# KiCad board Console.kicad_pcb (continued)
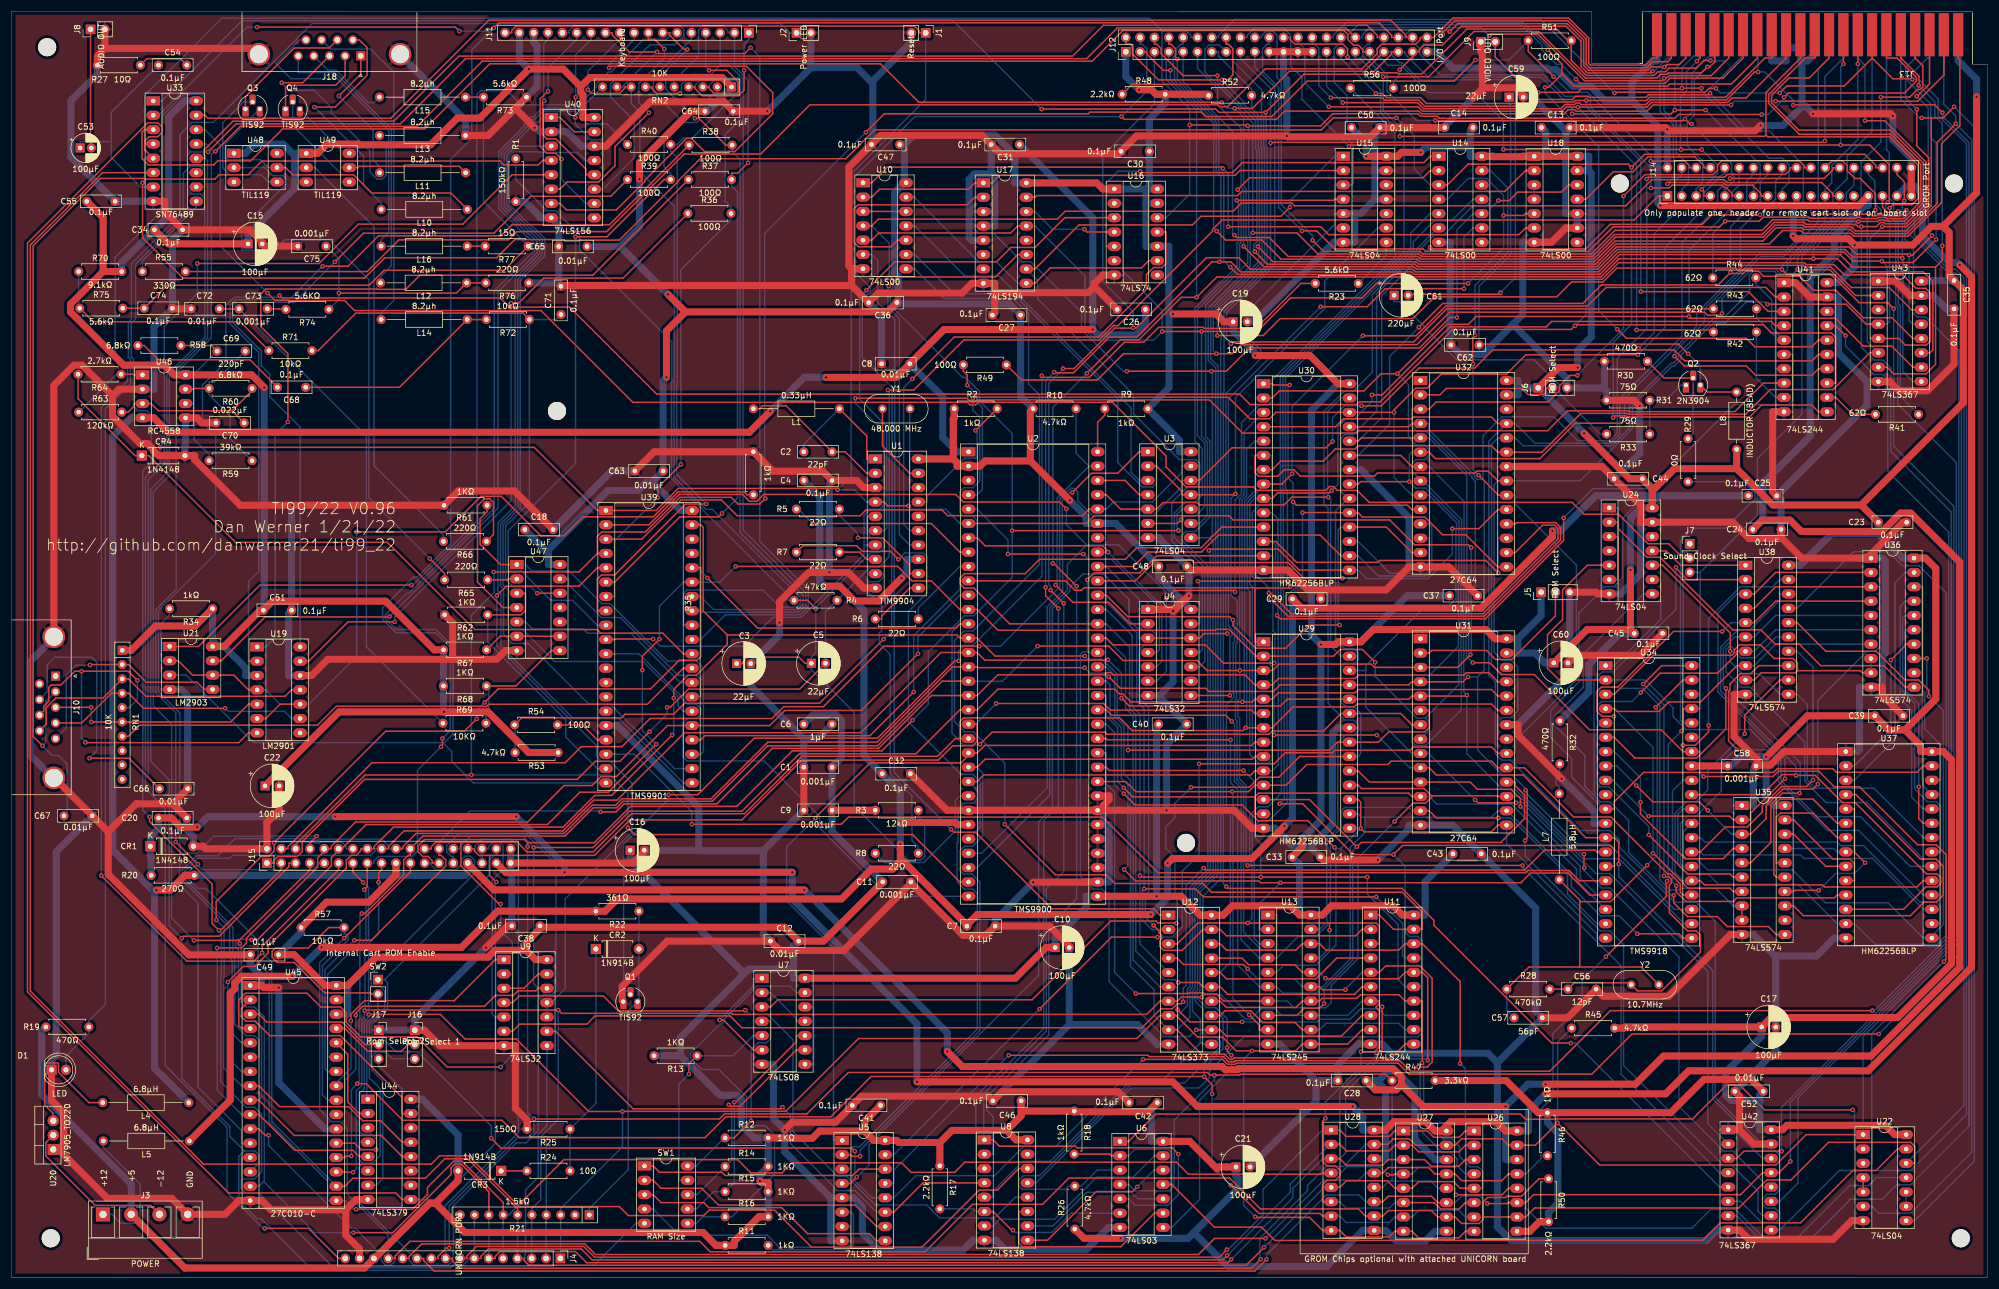
[diagram p0: board, top side]
## Footprints (pads in the part's own frame, mm; a bottom-side part is the same pattern mirrored in y, then rotated)
44 Pin Card Edge
  rect 1.78x7.62 smd far side: 1(14.87,-10.94) 3(17.41,-10.94) 5(19.95,-10.94) 7(22.49,-10.94) 9(25.03,-10.94) 11(27.57,-10.94) 13(30.11,-10.94) 15(32.65,-10.94) 17(35.19,-10.94) 19(37.73,-10.94) 21(40.27,-10.94) 23(42.81,-10.94) 25(45.35,-10.94) 27(47.89,-10.94) 29(50.43,-10.94) 31(52.97,-10.94) 33(55.51,-10.94) 35(58.05,-10.94) 37(60.59,-10.94) 39(63.13,-10.94) 41(65.67,-10.94) 43(68.21,-10.94)
  rect 1.78x7.62 smd: 2(14.87,-10.94) 4(17.41,-10.94) 6(19.95,-10.94) 8(22.49,-10.94) 10(25.03,-10.94) 12(27.57,-10.94) 14(30.11,-10.94) 16(32.65,-10.94) 18(35.19,-10.94) 20(37.73,-10.94) 22(40.27,-10.94) 24(42.81,-10.94) 26(45.35,-10.94) 28(47.89,-10.94) 30(50.43,-10.94) 32(52.97,-10.94) 34(55.51,-10.94) 36(58.05,-10.94) 38(60.59,-10.94) 40(63.13,-10.94) 42(65.67,-10.94) 44(68.21,-10.94)
C_Rect_L7.0mm_W2.0mm_P5.00mm
  round 1.6 hole 0.8: 1(0,0) 2(5,0)
CardEdge_34Pin_2.54mm_Vertical
  rect 1.7x1.7 hole 1: 1(0,-5.08)
  oval 1.7x1.7 hole 1: 2(5,-5.08) 3(0,-7.62) 4(5,-7.62) 5(0,-10.16) 6(5,-10.16) 7(0,-12.7) 8(5,-12.7) 9(0,-15.24) 10(5,-15.24) 11(0,-17.78) 12(5,-17.78) 13(0,-20.32) 14(5,-20.32) 15(0,-22.86) 16(5,-22.86) 17(0,-25.4) 18(5,-25.4) 19(0,-27.94) 20(5,-27.94) 21(0,-30.48) 22(5,-30.48) 23(0,-33.02) 24(5,-33.02) 25(0,-35.56) 26(5,-35.56) 27(0,-38.1) 28(5,-38.1) 29(0,-40.64) 30(5,-40.64) 31(0,-43.18) 32(5,-43.18) 33(0,-45.72) 34(5,-45.72) 35(0,-48.26) 36(5,-48.26)
CP_Radial_D5.0mm_P2.00mm
  rect 1.6x1.6 hole 0.8: 1(0,0)
  round 1.6 hole 0.8: 2(2,0)
CP_Radial_D7.5mm_P2.50mm
  rect 1.6x1.6 hole 0.8: 1(0,0)
  round 1.6 hole 0.8: 2(2.5,0)
Crystal_HC49-U_Vertical
  round 1.5 hole 0.8: 1(0,0) 2(4.88,0)
D_A-405_P7.62mm_Horizontal
  rect 1.8x1.8 hole 0.9: 1(0,0)
  oval 1.8x1.8 hole 0.9: 2(7.62,0)
DIP-6_W7.62mm_Socket_LongPads
  rect 2.4x1.6 hole 0.8: 1(0,0)
  oval 2.4x1.6 hole 0.8: 2(0,-2.54) 3(0,-5.08) 4(7.62,-5.08) 5(7.62,-2.54) 6(7.62,0)
DIP-8_W7.62mm_Socket_LongPads
  rect 2.4x1.6 hole 0.8: 1(0,0)
  oval 2.4x1.6 hole 0.8: 2(0,-2.54) 3(0,-5.08) 4(0,-7.62) 5(7.62,-7.62) 6(7.62,-5.08) 7(7.62,-2.54) 8(7.62,0)
DIP-10_W7.62mm_Socket_LongPads
  rect 2.4x1.6 hole 0.8: 1(0,0)
  oval 2.4x1.6 hole 0.8: 2(0,-2.54) 3(0,-5.08) 4(0,-7.62) 5(0,-10.16) 6(7.62,-10.16) 7(7.62,-7.62) 8(7.62,-5.08) 9(7.62,-2.54) 10(7.62,0)
DIP-14_W7.62mm_Socket_LongPads
  rect 2.4x1.6 hole 0.8: 1(0,0)
  oval 2.4x1.6 hole 0.8: 2(0,-2.54) 3(0,-5.08) 4(0,-7.62) 5(0,-10.16) 6(0,-12.7) 7(0,-15.24) 8(7.62,-15.24) 9(7.62,-12.7) 10(7.62,-10.16) 11(7.62,-7.62) 12(7.62,-5.08) 13(7.62,-2.54) 14(7.62,0)
DIP-16_W7.62mm_Socket_LongPads
  rect 2.4x1.6 hole 0.8: 1(0,0)
  oval 2.4x1.6 hole 0.8: 2(0,-2.54) 3(0,-5.08) 4(0,-7.62) 5(0,-10.16) 6(0,-12.7) 7(0,-15.24) 8(0,-17.78) 9(7.62,-17.78) 10(7.62,-15.24) 11(7.62,-12.7) 12(7.62,-10.16) 13(7.62,-7.62) 14(7.62,-5.08) 15(7.62,-2.54) 16(7.62,0)
DIP-20_W7.62mm_Socket_LongPads
  rect 2.4x1.6 hole 0.8: 1(0,0)
  oval 2.4x1.6 hole 0.8: 2(0,-2.54) 3(0,-5.08) 4(0,-7.62) 5(0,-10.16) 6(0,-12.7) 7(0,-15.24) 8(0,-17.78) 9(0,-20.32) 10(0,-22.86) 11(7.62,-22.86) 12(7.62,-20.32) 13(7.62,-17.78) 14(7.62,-15.24) 15(7.62,-12.7) 16(7.62,-10.16) 17(7.62,-7.62) 18(7.62,-5.08) 19(7.62,-2.54) 20(7.62,0)
DIP-28_W15.24mm_Socket_LongPads
  rect 2.4x1.6 hole 0.8: 1(0,0)
  oval 2.4x1.6 hole 0.8: 2(0,-2.54) 3(0,-5.08) 4(0,-7.62) 5(0,-10.16) 6(0,-12.7) 7(0,-15.24) 8(0,-17.78) 9(0,-20.32) 10(0,-22.86) 11(0,-25.4) 12(0,-27.94) 13(0,-30.48) 14(0,-33.02) 15(15.24,-33.02) 16(15.24,-30.48) 17(15.24,-27.94) 18(15.24,-25.4) 19(15.24,-22.86) 20(15.24,-20.32) 21(15.24,-17.78) 22(15.24,-15.24) 23(15.24,-12.7) 24(15.24,-10.16) 25(15.24,-7.62) 26(15.24,-5.08) 27(15.24,-2.54) 28(15.24,0)
DIP-32_W15.24mm_Socket_LongPads
  rect 2.4x1.6 hole 0.8: 1(0,0)
  oval 2.4x1.6 hole 0.8: 2(0,-2.54) 3(0,-5.08) 4(0,-7.62) 5(0,-10.16) 6(0,-12.7) 7(0,-15.24) 8(0,-17.78) 9(0,-20.32) 10(0,-22.86) 11(0,-25.4) 12(0,-27.94) 13(0,-30.48) 14(0,-33.02) 15(0,-35.56) 16(0,-38.1) 17(15.24,-38.1) 18(15.24,-35.56) 19(15.24,-33.02) 20(15.24,-30.48) 21(15.24,-27.94) 22(15.24,-25.4) 23(15.24,-22.86) 24(15.24,-20.32) 25(15.24,-17.78) 26(15.24,-15.24) 27(15.24,-12.7) 28(15.24,-10.16) 29(15.24,-7.62) 30(15.24,-5.08) 31(15.24,-2.54) 32(15.24,0)
DIP-40_W15.24mm_Socket_LongPads
  rect 2.4x1.6 hole 0.8: 1(0,0)
  oval 2.4x1.6 hole 0.8: 2(0,-2.54) 3(0,-5.08) 4(0,-7.62) 5(0,-10.16) 6(0,-12.7) 7(0,-15.24) 8(0,-17.78) 9(0,-20.32) 10(0,-22.86) 11(0,-25.4) 12(0,-27.94) 13(0,-30.48) 14(0,-33.02) 15(0,-35.56) 16(0,-38.1) 17(0,-40.64) 18(0,-43.18) 19(0,-45.72) 20(0,-48.26) 21(15.24,-48.26) 22(15.24,-45.72) 23(15.24,-43.18) 24(15.24,-40.64) 25(15.24,-38.1) 26(15.24,-35.56) 27(15.24,-33.02) 28(15.24,-30.48) 29(15.24,-27.94) 30(15.24,-25.4) 31(15.24,-22.86) 32(15.24,-20.32) 33(15.24,-17.78) 34(15.24,-15.24) 35(15.24,-12.7) 36(15.24,-10.16) 37(15.24,-7.62) 38(15.24,-5.08) 39(15.24,-2.54) 40(15.24,0)
DIP-64_W22.86mm_Socket_LongPads
  rect 2.4x1.6 hole 0.8: 1(0,0)
  oval 2.4x1.6 hole 0.8: 2(0,-2.54) 3(0,-5.08) 4(0,-7.62) 5(0,-10.16) 6(0,-12.7) 7(0,-15.24) 8(0,-17.78) 9(0,-20.32) 10(0,-22.86) 11(0,-25.4) 12(0,-27.94) 13(0,-30.48) 14(0,-33.02) 15(0,-35.56) 16(0,-38.1) 17(0,-40.64) 18(0,-43.18) 19(0,-45.72) 20(0,-48.26) 21(0,-50.8) 22(0,-53.34) 23(0,-55.88) 24(0,-58.42) 25(0,-60.96) 26(0,-63.5) 27(0,-66.04) 28(0,-68.58) 29(0,-71.12) 30(0,-73.66) 31(0,-76.2) 32(0,-78.74) 33(22.86,-78.74) 34(22.86,-76.2) 35(22.86,-73.66) 36(22.86,-71.12) 37(22.86,-68.58) 38(22.86,-66.04) 39(22.86,-63.5) 40(22.86,-60.96) 41(22.86,-58.42) 42(22.86,-55.88) 43(22.86,-53.34) 44(22.86,-50.8) 45(22.86,-48.26) 46(22.86,-45.72) 47(22.86,-43.18) 48(22.86,-40.64) 49(22.86,-38.1) 50(22.86,-35.56) 51(22.86,-33.02) 52(22.86,-30.48) 53(22.86,-27.94) 54(22.86,-25.4) 55(22.86,-22.86) 56(22.86,-20.32) 57(22.86,-17.78) 58(22.86,-15.24) 59(22.86,-12.7) 60(22.86,-10.16) 61(22.86,-7.62) 62(22.86,-5.08) 63(22.86,-2.54) 64(22.86,0)
DSUB-9_Male_Horizontal_P2.77x2.84mm_EdgePinOffset4.94mm_Housed_MountingHolesOffset7.48mm
  round 4 hole 3.2: 0(-6.96,-0.3) 0(18.04,-0.3)
  rect 1.6x1.6 hole 1: 1(0,0)
  round 1.6 hole 1: 2(2.77,0) 3(5.54,0) 4(8.31,0) 5(11.08,0) 6(1.385,-2.84) 7(4.155,-2.84) 8(6.925,-2.84) 9(9.695,-2.84)
LED_D5.0mm
  rect 1.8x1.8 hole 0.9: 1(0,0)
  round 1.8 hole 0.9: 2(2.54,0)
MountingHole_3.2mm_M3
  round 3.2 hole 3.2 unplated: (0,0)
PinHeader_1x02_P2.54mm_Vertical
  rect 1.7x1.7 hole 1: 1(0,0)
  oval 1.7x1.7 hole 1: 2(0,-2.54)
PinHeader_1x03_P2.54mm_Vertical
  rect 1.7x1.7 hole 1: 1(0,0)
  oval 1.7x1.7 hole 1: 2(0,-2.54) 3(0,-5.08)
PinHeader_1x16_P2.54mm_Vertical
  rect 1.7x1.7 hole 1: 1(0,0)
  oval 1.7x1.7 hole 1: 2(0,-2.54) 3(0,-5.08) 4(0,-7.62) 5(0,-10.16) 6(0,-12.7) 7(0,-15.24) 8(0,-17.78) 9(0,-20.32) 10(0,-22.86) 11(0,-25.4) 12(0,-27.94) 13(0,-30.48) 14(0,-33.02) 15(0,-35.56) 16(0,-38.1)
PinHeader_1x18_P2.54mm_Vertical
  rect 1.7x1.7 hole 1: 1(0,0)
  oval 1.7x1.7 hole 1: 2(0,-2.54) 3(0,-5.08) 4(0,-7.62) 5(0,-10.16) 6(0,-12.7) 7(0,-15.24) 8(0,-17.78) 9(0,-20.32) 10(0,-22.86) 11(0,-25.4) 12(0,-27.94) 13(0,-30.48) 14(0,-33.02) 15(0,-35.56) 16(0,-38.1) 17(0,-40.64) 18(0,-43.18)
PinHeader_2x18_P2.54mm_Vertical
  rect 1.7x1.7 hole 1: 1(0,0)
  oval 1.7x1.7 hole 1: 2(2.54,0) 3(0,-2.54) 4(2.54,-2.54) 5(0,-5.08) 6(2.54,-5.08) 7(0,-7.62) 8(2.54,-7.62) 9(0,-10.16) 10(2.54,-10.16) 11(0,-12.7) 12(2.54,-12.7) 13(0,-15.24) 14(2.54,-15.24) 15(0,-17.78) 16(2.54,-17.78) 17(0,-20.32) 18(2.54,-20.32) 19(0,-22.86) 20(2.54,-22.86) 21(0,-25.4) 22(2.54,-25.4) 23(0,-27.94) 24(2.54,-27.94) 25(0,-30.48) 26(2.54,-30.48) 27(0,-33.02) 28(2.54,-33.02) 29(0,-35.56) 30(2.54,-35.56) 31(0,-38.1) 32(2.54,-38.1) 33(0,-40.64) 34(2.54,-40.64) 35(0,-43.18) 36(2.54,-43.18)
PinHeader_2x22_P2.54mm_Vertical
  rect 1.7x1.7 hole 1: 1(0,0)
  oval 1.7x1.7 hole 1: 2(2.54,0) 3(0,-2.54) 4(2.54,-2.54) 5(0,-5.08) 6(2.54,-5.08) 7(0,-7.62) 8(2.54,-7.62) 9(0,-10.16) 10(2.54,-10.16) 11(0,-12.7) 12(2.54,-12.7) 13(0,-15.24) 14(2.54,-15.24) 15(0,-17.78) 16(2.54,-17.78) 17(0,-20.32) 18(2.54,-20.32) 19(0,-22.86) 20(2.54,-22.86) 21(0,-25.4) 22(2.54,-25.4) 23(0,-27.94) 24(2.54,-27.94) 25(0,-30.48) 26(2.54,-30.48) 27(0,-33.02) 28(2.54,-33.02) 29(0,-35.56) 30(2.54,-35.56) 31(0,-38.1) 32(2.54,-38.1) 33(0,-40.64) 34(2.54,-40.64) 35(0,-43.18) 36(2.54,-43.18) 37(0,-45.72) 38(2.54,-45.72) 39(0,-48.26) 40(2.54,-48.26) 41(0,-50.8) 42(2.54,-50.8) 43(0,-53.34) 44(2.54,-53.34)
PinSocket_1x03_P2.54mm_Vertical
  rect 1.7x1.7 hole 1: 1(0,0)
  oval 1.7x1.7 hole 1: 2(0,-2.54) 3(0,-5.08)
R_Array_SIP10
  rect 1.6x1.6 hole 0.8: 1(0,0)
  oval 1.6x1.6 hole 0.8: 2(2.54,0) 3(5.08,0) 4(7.62,0) 5(10.16,0) 6(12.7,0) 7(15.24,0) 8(17.78,0) 9(20.32,0) 10(22.86,0)
R_Axial_DIN0207_L6.3mm_D2.5mm_P7.62mm_Horizontal
  round 1.6 hole 0.8: 1(0,0)
  oval 1.6x1.6 hole 0.8: 2(7.62,0)
R_Axial_DIN0207_L6.3mm_D2.5mm_P10.16mm_Horizontal
  round 1.6 hole 0.8: 1(0,0)
  oval 1.6x1.6 hole 0.8: 2(10.16,0)
R_Axial_DIN0207_L6.3mm_D2.5mm_P15.24mm_Horizontal
  round 1.6 hole 0.8: 1(0,0)
  oval 1.6x1.6 hole 0.8: 2(15.24,0)
TerminalBlock_RND_205-00278_1x04_P5.00mm_Vertical
  rect 2.5x2.5 hole 1.3: 1(0,0)
  round 2.5 hole 1.3: 2(5,0) 3(10,0) 4(15,0)
TO-92_HandSolder
  rect 1.1x1.8 hole 0.75: 1(0,0)
  rrect 1.1x1.8 hole 0.75: 2(1.27,1.27) 3(2.54,0)
TO-92L_HandSolder
  rect 1.1x1.8 hole 0.75: 1(0,0)
  rrect 1.1x1.8 hole 0.75: 2(1.27,1.27) 3(2.54,0)
TO-220-3_Vertical
  rect 1.905x2 hole 1.1: 1(0,0)
  oval 1.905x2 hole 1.1: 2(2.54,0) 3(5.08,0)

## Nets
+5V: C1.1 C6.1 C9.1 C10.1 C11.1 C12.2 C13.1 C14.1 C15.1 C16.1 C17.1 C18.1 C19.1 C21.1 C22.1 C23.1 C27.1 C30.1 C33.1 C34.1 C35.1 C36.1 C37.1 C38.1 C39.1 C40.1 C41.1 C42.1 C43.1 C44.1 C45.1 C46.1 C47.1 C48.1 C49.1 C50.1 C51.1 C52.1 C55.2 C58.1 C60.1 C63.1 C64.2 C65.1 CR3.2 J3.2 J4.14 J5.1 J6.1 J11.17 J12.1 J13.1 J14.19 J15.19 L8.1 R2.2 R3.1 R9.1 R10.1 R11.2 R12.2 R13.2 R14.2 R15.2 R16.2 R17.1 R18.1 R19.1 R26.1 R32.1 R34.1 R45.2 R46.2 R47.2 R48.2 R50.2 R52.1 R53.1 R57.1 R67.2 R68.2 R70.2 RN1.1 RN2.1 U1.20 U2.2 U2.33 U2.59 U3.14 U4.14 U5.16 U6.14 U7.14 U8.16 U9.14 U10.14 U11.20 U12.20 U13.20 U14.14 U15.14 U16.1 U16.10 U16.13 U16.14 U17.16 U18.1 U18.13 U18.14 U19.3 U21.8 U22.14 U24.14 U26.9 U27.9 U28.9 U29.28 U30.28 U31.27 U31.28 U32.27 U32.28 U33.16 U34.33 U35.20 U36.20 U37.28 U38.20 U39.40 U40.16 U41.20 U42.16 U43.16 U44.16 U45.30 U45.31 U45.32 U46.8 U47.14 U48.1 U49.1
+12V: C4.1 C7.1 C25.1 C29.1 C32.1 L5.1 R22.2 U1.13 U2.27
-5V: C8.1 C24.1 C26.1 C28.1 C31.1 J12.43 J13.43 J14.29 J15.29 L4.1 R20.2 U2.1 U26.14 U27.14 U28.14 U46.4
GND: C1.2 C3.2 C4.2 C6.2 C7.2 C8.2 C9.2 C10.2 C11.2 C12.1 C13.2 C14.2 C15.2 C16.2 C17.2 C18.2 C19.2 C20.2 C21.2 C22.2 C23.2 C24.2 C25.2 C26.2 C27.2 C28.2 C29.2 C30.2 C31.2 C32.2 C33.2 C34.2 C35.2 C36.2 C37.2 C38.2 C39.2 C40.2 C41.2 C42.2 C43.2 C44.2 C45.2 C46.2 C47.2 C48.2 C49.2 C50.2 C51.2 C52.2 C55.1 C56.2 C57.2 C58.2 C59.2 C60.2 C62.2 C63.2 C64.1 C65.2 C66.2 C67.2 C70.2 C71.2 C72.2 C74.2 C75.2 CR1.2 CR4.2 D1.1 J1.2 J2.2 J3.4 J4.15 J5.3 J6.3 J8.2 J9.1 J10.0 J11.16 J12.21 J12.23 J12.25 J12.27 J13.21 J13.23 J13.25 J13.27 J14.2 J14.35 J14.36 J15.2 J15.35 J15.36 J16.1 J17.1 J18.0 L13.1 Q1.1 R1.2 R25.2 R27.2 R30.2 R31.2 R35.1 R61.1 R62.1 R73.1 R76.1 U1.3 U1.10 U2.26 U2.34 U2.35 U2.36 U2.37 U2.38 U2.39 U2.40 U3.7 U4.1 U4.7 U5.5 U5.8 U6.7 U7.7 U8.8 U9.7 U10.7 U11.10 U12.10 U13.10 U14.7 U15.5 U15.7 U15.11 U15.13 U16.7 U17.3 U17.4 U17.5 U17.8 U18.7 U18.9 U18.10 U19.12 U20.1 U21.4 U22.7 U24.7 U24.13 U29.14 U29.22 U30.14 U30.22 U31.14 U31.22 U32.14 U32.22 U33.8 U34.12 U35.1 U35.10 U36.1 U36.10 U37.1 U37.14 U38.10 U39.16 U40.2 U40.8 U40.14 U41.1 U41.10 U41.19 U42.1 U42.8 U42.15 U43.1 U43.8 U43.15 U44.8 U45.1 U45.16 U45.22 U46.2 U46.5 U47.7
VSS: C20.1 CR1.1 J14.33 J15.33 R20.1 U26.16 U27.16 U28.16
/8Bit16BitSwitch/~{LSBEN}: U10.6 U12.1
/8Bit16BitSwitch/~{MSBEN}: U13.19 U14.6
/CPU/Ø1: R5.1 U2.8
/CPU/Ø2: R6.1 U2.9
/CPU/Ø3: R7.1 U2.28
/CPU/Ø4: R8.1 U2.25
/Video/COMVID: C61.2 J9.2
A0: U2.24 U5.3 U29.10 U30.10 U41.6
A1: U2.23 U5.2 U29.9 U30.9 U41.4
A2: U2.22 U5.1 U29.8 U30.8 U41.2
A3: J14.24 J15.24 U2.21 U9.2 U29.7 U30.7 U31.23 U32.23 U43.6 U45.4
A4: J14.30 J15.30 U2.20 U9.1 U29.6 U30.6 U31.21 U32.21 U43.4 U45.25
A5: J14.28 J15.28 U2.19 U9.12 U29.5 U30.5 U31.24 U32.24 U43.2 U45.23
A6: J14.26 J15.26 U2.18 U29.4 U30.4 U31.25 U32.25 U42.6 U45.26
A7: J14.22 J15.22 U2.17 U29.3 U30.3 U31.3 U32.3 U42.4 U45.27
A8: J14.20 J15.20 U2.16 U29.25 U30.25 U31.4 U32.4 U42.10 U45.5
A9: J14.18 J15.18 U2.15 U29.24 U30.24 U31.5 U32.5 U42.12 U45.6
A10: J14.16 J15.16 U2.14 U29.21 U30.21 U31.6 U32.6 U39.39 U43.14 U45.7
A11: J14.14 J15.14 U2.13 U29.23 U30.23 U31.7 U32.7 U39.36 U43.12 U44.13 U45.8
A12: J14.12 J15.12 U2.12 U29.2 U30.2 U31.8 U32.8 U39.35 U43.10 U44.12 U45.9
A13: J14.10 J15.10 U2.11 U29.26 U30.26 U31.9 U32.9 U39.25 U42.2 U44.5 U45.10
A14: U2.10 U29.1 U30.1 U31.10 U32.10 U34.13 U39.24 U42.14
A15: U3.8 U8.5 U10.10 U12.11 U14.10 U17.2
A15-CRUOUT: J14.8 J15.8 U18.11 U41.13 U45.12
CAS1: CR4.1 R64.2 U39.30
CAS1_REM: R62.2 U39.19 U47.3
CAS2: U39.28 U47.5
CAS2_REM: R61.2 U39.23 U47.1
CAS3: U39.27 U47.13
CD0: U2.41 U13.9 U29.11 U31.19 U34.24
CD1: U2.42 U13.8 U29.12 U31.18 U34.23
CD2: U2.43 U13.7 U29.18 U31.17 U34.22
CD3: U2.44 U13.6 U29.16 U31.16 U34.21
CD4: U2.45 U13.5 U29.17 U31.15 U34.20
CD5: U2.46 U13.4 U29.15 U31.13 U34.19
CD6: U2.47 U13.3 U29.13 U31.12 U34.18
CD7: U2.48 U13.2 U29.19 U31.11 U34.17
CD8: U2.49 U11.11 U12.9 U30.15 U32.19
CD9: U2.50 U11.8 U12.12 U30.13 U32.18
CD10: U2.51 U11.13 U12.6 U30.12 U32.17
CD11: U2.52 U11.6 U12.15 U30.11 U32.16
CD12: U2.53 U11.15 U12.5 U30.19 U32.15
CD13: U2.54 U11.4 U12.16 U30.18 U32.13
CD14: U2.55 U11.17 U12.2 U30.17 U32.12
CD15: U2.56 U11.2 U12.19 U30.16 U32.11
COMP_VID: R29.2 U34.36
CPUCLK: J7.1 U34.38
CRUCLK: U2.60 U3.13 U39.3
CRUIN: J14.6 J15.6 R51.1 U2.31 U39.4
CRUOUT: U2.30 U4.9 U39.2
D0: J4.1 J12.37 J13.37 J14.17 J15.17 R21.3 U11.9 U12.8 U13.11 U26.8 U27.8 U28.8 U33.3 U45.21
D1: J4.2 J12.40 J13.40 J14.15 J15.15 R21.4 U11.12 U12.13 U13.12 U26.7 U27.7 U28.7 U33.2 U45.20
D2: J4.3 J12.39 J13.39 J14.13 J15.13 R21.5 U11.7 U12.7 U13.13 U26.6 U27.6 U28.6 U33.1 U45.19
D3: J4.4 J12.42 J13.42 J14.11 J15.11 R21.6 U11.14 U12.14 U13.14 U26.5 U27.5 U28.5 U33.15 U45.18
D4: J4.5 J12.35 J13.35 J14.9 J15.9 R21.7 U11.5 U12.4 U13.15 U26.4 U27.4 U28.4 U33.13 U45.17
D5: J4.6 J12.38 J13.38 J14.7 J15.7 R21.8 U11.16 U12.17 U13.16 U26.3 U27.3 U28.3 U33.12 U45.15
D6: J4.7 J12.36 J13.36 J14.5 J15.5 R21.9 U11.3 U12.3 U13.17 U26.2 U27.2 U28.2 U33.11 U45.14
D7: J4.8 J12.34 J13.34 J14.3 J15.3 R21.10 U11.18 U12.18 U13.18 U26.1 U27.1 U28.1 U33.10 U45.13
DBIN: J4.10 J14.25 J15.25 R47.1 U3.10 U6.4 U10.4 U22.11 U26.12 U27.12 U28.12
EXTINT: R54.2 U39.17
GBE: R18.2 U6.2 U6.11 U22.13
GREADY: J4.9 J14.31 J15.31 R45.1 U22.1 U26.15 U27.15 U28.15
GRMCLK: J4.12 J7.3 J14.27 J15.27 R46.1 U26.13 U27.13 U28.13 U34.37
HOLD/IAQ: J12.41 J13.41 R56.2
HOLDA: U2.5 U4.4
IAQ: U2.7 U4.5
IO_A0: J12.31 J13.31 U41.14
IO_A1: J12.30 J13.30 U41.16
IO_A2: J12.20 J13.20 U41.18
IO_A3: J12.10 J13.10 U8.3 U43.7
IO_A4: J12.7 J13.7 U8.2 U43.5
IO_A5: J12.5 J13.5 U6.5 U8.1 U43.3
IO_A6: J12.29 J13.29 U42.7
IO_A7: J12.17 J13.17 U42.5
IO_A8: J12.14 J13.14 U42.9
IO_A9: J12.18 J13.18 U42.11
IO_A10: J12.6 J13.6 U43.13
IO_A11: J12.8 J13.8 U43.11
IO_A12: J12.11 J13.11 U43.9
IO_A13: J12.15 J13.15 U42.3
IO_A14: J4.11 J12.16 J13.16 J14.23 J15.23 R48.1 U26.11 U27.11 U28.11 U42.13 U44.4 U45.11
IO_A15-CRUOUT: J12.19 J13.19 R43.1
IO_CRUIN: J12.33 J13.33 R51.2
IO_DBIN: J12.9 J13.9 U22.8
IO_SNDIN: J12.44 J13.44 R55.1
IO_Ø3: J12.24 J13.24 R41.1
IR_A1: J17.3 U44.10
IR_A1_O: J17.2 U45.3
IR_A2: J16.3 U44.7
IR_A2_O: J16.2 U45.29
J_DOWN: R37.1 U19.1
J_FIRE: R39.1 U19.14
J_LEFT: R40.1 U21.7
J_RIGHT: R36.1 U19.13
J_UP: R38.1 U19.2
JOY1: C66.1 J10.7 U40.5
JOY2: C67.1 J10.2 U40.4
RAMBLK: U9.10 U9.11 U39.5
READY: U2.62 U3.4
READY_~{HOLD}: J12.12 J13.12 R26.2 U6.3 U16.12 U33.4
SBE: J12.2 J13.2 U6.8
SNDIN: R55.2 U33.9
SNDOUT: C53.2 J8.1
SOUNDCLK: J7.2 U33.14
VAD0: U34.10 U38.2
VAD1: U34.9 U35.2 U36.2 U38.3
VAD2: U34.8 U35.3 U36.3 U38.4
VAD3: U34.7 U35.4 U36.4 U38.5
VAD4: U34.6 U35.5 U36.5 U38.6
VAD5: U34.5 U35.6 U36.6 U38.7
VAD6: U34.4 U35.7 U36.7 U38.8
VAD7: U34.3 U35.8 U35.9 U36.8 U36.9 U38.9
VCAS: U24.5 U34.2 U37.20
VCOL: U24.2 U36.11
VD0: U34.32 U37.11 U38.19
VD1: U34.31 U37.12 U38.18
VD2: U34.30 U37.13 U38.17
VD3: U34.29 U37.15 U38.16
VD4: U34.28 U37.16 U38.15
VD5: U34.27 U37.17 U38.14
VD6: U34.26 U37.18 U38.13
VD7: U34.25 U37.19 U38.12
VDPINT: U34.16 U39.18
VRAS: U24.9 U34.1
VRD: U24.10 U37.22 U38.11
VROW: U24.8 U35.11
VRW: U24.11 U34.11 U37.27 U38.1
~{CMRESET}: C5.2 J14.1 J15.1 R4.1
~{CRUCLK}: J14.4 J15.4 U3.12 U41.15
~{CSR}: U8.13 U14.5 U34.15
~{CSW}: U8.12 U9.4
~{DBIN}: U3.2 U3.11 U10.9 U13.1 U15.9
~{GS}: J4.13 J14.21 J15.21 R50.1 U22.12 U26.10 U27.10 U28.10
~{INTREQ}: U2.32 U39.11
~{IO_CRUCLK}: J12.22 J13.22 R44.1
~{IO_EXT_INT}: J12.4 J13.4 R53.2 R54.1
~{IO_LOAD}: J12.13 J13.13 R49.1 R52.2
~{IO_MBE}: J12.28 J13.28 U41.3
~{IO_RESET}: J12.3 J13.3 U22.6
~{IO_WE}: J12.26 J13.26 R42.1
~{IROMG}: R57.2 SW2.2 U44.1 U45.24
~{LOAD}: R49.2 U2.4
~{MBE}: U5.13 U41.17
~{MEMEN}: J12.32 J13.32 U4.3 U4.12 U5.4 U15.3
~{mWE}: J14.32 J15.32 U9.5 U14.3 U33.5 U41.11 U44.9
~{RAM0}: SW1.1 U5.14
~{RAM1}: SW1.2 U5.10
~{RAM2}: SW1.3 U5.9
~{RAM3}: SW1.4 U5.7
~{RAM4}: SW1.5 U9.8
~{RAM}: U7.3 U14.12 U29.20 U30.20
~{RESET}: J1.1 J4.16 J11.18 U1.4 U2.6 U22.3 U34.34 U39.1
~{ROMG}: J14.34 J15.34 SW2.1 U5.12
~{ROM}: U5.15 U14.13 U31.20 U32.20
~{SOUND_SEL}: U8.14 U33.6
~{WE}: U2.61 U3.5 U29.27 U30.27
~{Ø1}: U1.14 U17.11
~{Ø2}: U1.15 U16.11
~{Ø3}: U1.7 U39.10 U41.8
~{Ø4}: U1.6 U16.3
Net-(C2-Pad1): C2.1 L1.1 U1.1
Net-(C2-Pad2): C2.2 L1.2 U1.2
Net-(C3-Pad1): C3.1 C5.1 R1.1 R3.2 R4.2 U1.5
Net-(C53-Pad1): C53.1 C54.1 U33.7
Net-(C54-Pad2): C54.2 R27.1
Net-(C56-Pad1): C56.1 R28.2 U34.40 Y2.1
Net-(C57-Pad1): C57.1 L7.1 R28.1 U34.39 Y2.2
Net-(C59-Pad1): C59.1 C62.1 L8.2 Q2.3
Net-(C61-Pad1): C61.1 R33.2
Net-(C68-Pad1): C68.1 L14.1 R72.2
Net-(C68-Pad2): C68.2 R58.2
Net-(C69-Pad1): C69.1 R58.1 R59.2 U46.6
Net-(C69-Pad2): C69.2 R59.1 R60.2 U46.7
Net-(C70-Pad1): C70.1 R60.1 R63.2 U46.3
Net-(C71-Pad1): C71.1 R71.2 R72.1 U47.12
Net-(C72-Pad1): C72.1 C73.1 R69.1
Net-(C73-Pad2): C73.2 R74.2
Net-(C74-Pad1): C74.1 L15.1 R73.2 R75.2 R77.1
Net-(C75-Pad1): C75.1 L12.1 R74.1 R76.2
Net-(CR2-Pad1): CR2.1 R24.2 R25.1
Net-(CR2-Pad2): CR2.2 Q1.3 R21.1 R22.1
Net-(CR3-Pad1): CR3.1 R24.1
Net-(D1-Pad2): D1.2 J2.1 R19.2
Net-(J3-Pad1): J3.1 L5.2
Net-(J3-Pad3): J3.3 U20.2
Net-(J5-Pad2): J5.2 U31.2
Net-(J6-Pad2): J6.2 U32.2
Net-(J10-Pad3): J10.3 RN1.6 U19.5
Net-(J10-Pad4): J10.4 RN1.4 U19.9
Net-(J10-Pad5): J10.5 RN1.2 U21.5
Net-(J10-Pad8): J10.8 RN1.5 U19.7
Net-(J10-Pad9): J10.9 RN1.3 U19.11
Net-(J11-Pad1): J11.1 R36.2 RN2.4 U39.7
Net-(J11-Pad2): J11.2 R37.2 RN2.5 U39.6
Net-(J11-Pad3): J11.3 RN2.7 U39.33
Net-(J11-Pad4): J11.4 R40.2 RN2.3 U39.8
Net-(J11-Pad5): J11.5 R39.2 RN2.2 U39.9
Net-(J11-Pad6): J11.6 U21.1
Net-(J11-Pad7): J11.7 R38.2 RN2.6 U39.34
Net-(J11-Pad8): J11.8 U40.6
Net-(J11-Pad9): J11.9 U40.7
Net-(J11-Pad10): J11.10 RN2.8 U39.32
Net-(J11-Pad11): J11.11 RN2.9 U39.31
Net-(J11-Pad12): J11.12 U40.9
Net-(J11-Pad13): J11.13 U40.10
Net-(J11-Pad14): J11.14 U40.11
Net-(J11-Pad15): J11.15 U40.12
Net-(J18-Pad1): J18.1 L11.2
Net-(J18-Pad2): J18.2 Q4.1
Net-(J18-Pad3): J18.3 L13.2
Net-(J18-Pad4): J18.4 L15.2
Net-(J18-Pad5): J18.5 L12.2
Net-(J18-Pad6): J18.6 L10.2
Net-(J18-Pad7): J18.7 Q3.1
Net-(J18-Pad8): J18.8 L14.2
Net-(J18-Pad9): J18.9 L16.2
Net-(L4-Pad2): L4.2 U20.3
Net-(L7-Pad2): L7.2 R32.2
Net-(L10-Pad1): L10.1 Q3.3 U48.5
Net-(L11-Pad1): L11.1 Q4.3 U49.5
Net-(L16-Pad1): L16.1 R77.2
Net-(Q1-Pad2): Q1.2 R23.2
Net-(Q2-Pad1): Q2.1 R31.1 R33.1
Net-(Q2-Pad2): Q2.2 R29.1 R30.1
Net-(Q3-Pad2): Q3.2 U48.4
Net-(Q4-Pad2): Q4.2 U49.4
Net-(R2-Pad1): R2.1 U1.17
Net-(R5-Pad2): R5.2 U1.12
Net-(R6-Pad2): R6.2 U1.11
Net-(R7-Pad2): R7.2 U1.8
Net-(R8-Pad2): R8.2 U1.9
Net-(R9-Pad2): R9.2 U2.64
Net-(R10-Pad2): R10.2 U2.63 U4.2
Net-(R11-Pad1): R11.1 U5.6
Net-(R12-Pad1): R12.1 SW1.10 U7.4
Net-(R13-Pad1): R13.1 SW1.9 U7.5
Net-(R14-Pad1): R14.1 SW1.8 U7.9
Net-(R15-Pad1): R15.1 SW1.7 U7.10
Net-(R16-Pad1): R16.1 SW1.6 U7.13
Net-(R17-Pad2): R17.2 U6.6 U8.6
Net-(R23-Pad1): R23.1 U15.8
Net-(R34-Pad2): R34.2 R35.2 U19.4 U19.6 U19.8 U19.10 U21.2 U21.6
Net-(R41-Pad2): R41.2 U41.12
Net-(R42-Pad2): R42.2 U41.9
Net-(R43-Pad2): R43.2 U41.7
Net-(R44-Pad2): R44.2 U41.5
Net-(R56-Pad1): R56.1 U4.6
Net-(R63-Pad1): R63.1 R64.1 U46.1
Net-(R65-Pad1): R65.1 U47.2
Net-(R65-Pad2): R65.2 U48.2
Net-(R66-Pad1): R66.1 U47.4
Net-(R66-Pad2): R66.2 U49.2
Net-(R67-Pad1): R67.1 U47.6 U47.9
Net-(R68-Pad1): R68.1 R69.2 U47.8
Net-(R70-Pad1): R70.1 R71.1 R75.1
Net-(RN1-Pad7): RN1.7 U39.29
Net-(RN2-Pad10): RN2.10 U21.3 U39.20
Net-(U1-Pad18): U1.18 Y1.2
Net-(U1-Pad19): U1.19 Y1.1
Net-(U2-Pad29): U2.29 U3.1
Net-(U5-Pad11): U5.11 U8.4 U9.9
Net-(U6-Pad9): U6.9 U8.11
Net-(U6-Pad10): U6.10 U8.10
Net-(U6-Pad12): U6.12 U8.9
Net-(U6-Pad13): U6.13 U8.7
Net-(U7-Pad1): U7.1 U7.6
Net-(U7-Pad11): U7.2 U7.11
Net-(U7-Pad12): U7.8 U7.12
Net-(U9-Pad13): U9.3 U9.13
Net-(U10-Pad1): U10.1 U18.6
Net-(U10-Pad2): U10.2 U15.2 U17.1
Net-(U10-Pad5): U3.9 U10.5 U14.4 U16.2 U17.13 U18.5
Net-(U10-Pad8): U10.8 U11.1 U11.19
Net-(U10-Pad11): U3.3 U10.11
Net-(U10-Pad12): U10.3 U10.12
Net-(U10-Pad13): U10.13 U16.9 U17.9
Net-(U14-Pad1): U14.1 U16.5
Net-(U14-Pad2): U3.6 U14.2
Net-(U14-Pad8): U14.8 U18.12
Net-(U14-Pad9): U4.8 U14.9
Net-(U14-Pad11): U4.13 U14.11
Net-(U15-Pad1): U4.11 U15.1 U17.10
Net-(U15-Pad4): U4.10 U15.4
Net-(U16-Pad4): U16.4 U17.14
Net-(U17-Pad15): U17.15 U18.2
Net-(U18-Pad3): U18.3 U18.4
Net-(U22-Pad2): U6.1 U22.2
Net-(U22-Pad4): U22.4 U22.5
Net-(U22-Pad10): U22.9 U22.10
Net-(U24-Pad1): U24.1 U24.4
Net-(U24-Pad3): U24.3 U24.6
Net-(U34-Pad14): U9.6 U34.14
Net-(U35-Pad13): U35.13 U37.4
Net-(U35-Pad14): U35.14 U37.5
Net-(U35-Pad15): U35.15 U37.6
Net-(U35-Pad16): U35.16 U37.7
Net-(U35-Pad17): U35.17 U37.8
Net-(U35-Pad18): U35.18 U37.9
Net-(U35-Pad19): U35.19 U37.10
Net-(U36-Pad13): U36.13 U37.26
Net-(U36-Pad14): U36.14 U37.2
Net-(U36-Pad15): U36.15 U37.23
Net-(U36-Pad16): U36.16 U37.21
Net-(U36-Pad17): U36.17 U37.24
Net-(U36-Pad18): U36.18 U37.25
Net-(U36-Pad19): U36.19 U37.3
Net-(U39-Pad21): U39.21 U40.1 U40.15
Net-(U39-Pad22): U39.22 U40.3
Net-(U39-Pad26): U39.26 U40.13
Net-(U44-Pad2): U44.2 U45.28
Net-(U44-Pad15): U44.15 U45.2

Pads without a net: J10 1 6; R21 2; RN1 8 9 10; U1 16; U2 3 57 58; U8 15; U15 6 10 12; U16 6 8; U17 6 7 12; U18 8; U24 12; U31 1 26; U32 1 26; U34 35; U35 12; U36 12; U39 12 13 14 15 37 38; U44 3 6 11 14; U47 10 11; U48 3 6; U49 3 6

## Via types
v1: diameter 0.8, hole 0.4, Top to Bottom, 592 vias

## Routing (per net, layer and track width the routed paths; a pad name or vN(x,y) marks a point on that pad's centre or on a via; arc(x,y) is an arc through that point)
+5V: length 2815.1
  Top w1.25: R52.1 211.82,209.62 R48.2 202.72,209.62 201.93,210.41 v1(199.74,210.41) ; 75.12,13.19 74.11,13.19 64.34,3.42 J4.14 62.51,1.72 30.74,1.72 J3.2 ; 75.12,13.19 80.3,8.01 122.5,8.01 124.79,5.72 R11.2 128.04,5.72 128.04,6.43 132.41,10.8 R16.2 ; 75.12,13.19 79.12,17.19 CR3.2 ; U49.1 54.26,199.17 55.89,200.8 61.51,200.8 61.63,200.68 74.27,200.68 78.98,205.4 82.97,205.4 v1(91.66,214.08) 97.74,214.08 100.84,210.97 ; v1(187.44,137.7) 180.47,144.67 ; 180.47,144.67 172.45,144.67 171.54,143.76 U2.2 167.49,143.76 167.49,144.35 166.81,145.03 ; 180.47,144.67 180.47,153.44 R10.1 ; U18.14 U18.1 267.66,198.65 267.59,198.57 262.51,198.57 262.43,198.65 U14.14 ; C34.1 27.84,183.12 C15.1 ; 119.4,171.08 v1(116.3,174.17) ; 119.4,171.08 155.19,171.08 C36.1 ; 119.4,171.08 116.02,167.7 v1(116.02,159.48) ; R67.2 74.91,111.22 66.28,119.85 46.26,119.85 C51.1 44.08,118.22 37.68,111.82 U21.8 ; U8.16 177.93,24.42 176.26,26.09 ; R45.2 285.57,44.22 285.77,44.42 C17.1 311.64,46.08 334.06,46.08 343.59,55.62 343.59,91.75 342.14,93.2 U37.28 338.09,93.2 338.09,94.28 335.34,97.03 ; v1(132.58,17.11) 132.82,16.87 134.04,16.87 R15.2 ; U42.16 313.68,26.22 314.46,27 331.88,27 333.53,25.34 U22.14 ; 100.84,210.97 100.84,209.94 101.23,209.56 101.23,205.52 U40.16 ; 100.84,210.97 102.45,212.59 125.89,212.59 RN2.1 ; C21.1 213.87,19.62 213.53,19.29 208.68,24.15 U6.14 ; 151.08,25.97 143.12,25.97 141.84,24.69 135.74,24.69 135.66,24.77 R12.2 ; 151.08,25.97 152.73,24.32 U5.16 156.78,24.32 157.15,23.95 164.44,23.95 ; 151.08,25.97 151.08,27.66 C41.1 ; C19.1 214.75,169.32 213.36,170.71 v1(205.71,170.71) ; 290.6,139.35 294.55,143.3 305.54,143.3 ; 290.6,139.35 U24.14 ; 290.6,139.35 290.6,139.75 C44.1 286.57,141.52 v1(278.53,149.56) ; C52.1 308.12,35.13 299.76,35.13 293.86,29.23 R46.2 270.41,29.23 264.72,34.92 R47.2 ; 286.73,114.82 279.08,114.82 C60.1 ; 286.73,114.82 C45.1 ; 286.73,114.82 v1(286.73,125.38) ; C22.1 58.05,100.23 v1(76.64,100.23) 76.65,100.22 84.42,100.22 91.62,93.02 R53.1 ; 327.58,136.87 C23.1 ; 327.58,136.87 345.67,154.96 345.67,174.99 C35.1 343.18,177.47 343.18,185.14 342.1,186.22 ; 327.58,136.87 311.97,136.87 305.54,143.3 ; 342.1,186.22 348.03,192.16 v1(348.03,209.19) ; 342.1,186.22 340.03,186.22 336.73,182.92 v1(326.43,182.92) 325.32,184.03 316.03,184.03 v1(315.54,184.53) ; v1(310.78,92.24) 318.07,99.53 C39.1 332.5,97.03 335.34,97.03 ; C58.1 U34.33 ; L8.1 305.54,143.3 ; 178.83,29.52 R18.1 188.36,29.39 201.31,29.39 C42.1 ; 178.83,29.52 178.83,28.67 176.26,26.09 ; 178.83,29.52 C46.1 ; U11.20 246.33,64.25 244.7,65.88 233.81,65.88 232.18,64.25 U13.20 228.13,64.25 226.5,65.87 216.23,65.87 214.58,64.22 U12.20 210.53,64.22 207.19,67.56 v1(202.82,67.56) U2.33 ; v1(231.92,112.16) 234.49,112.16 234.96,112.64 U29.28 239.02,112.64 241.19,114.81 261.14,114.81 262.77,113.19 U31.28 ; 91.18,57.99 85.64,57.99 84.43,56.79 64.59,56.79 59.58,51.77 U45.32 55.52,51.77 50.07,57.22 C49.1 ; 91.18,57.99 91.18,59.39 93.88,62.08 ; 91.18,57.99 92.83,56.34 U9.14 ; 164.44,23.95 166.58,26.09 176.26,26.09 ; 164.44,23.95 R17.1 ; v1(277.38,161.22) 274.01,161.22 J6.1 ; R26.1 189.97,6.97 v1(196.47,6.97) ; 93.88,62.08 136.98,62.08 C12.2 143.83,59.62 C11.1 ; 93.88,62.08 C38.1 ; C64.2 120.33,206.62 111.25,197.54 v1(111.25,194.59) ; U26.9 268.92,8.22 270.61,9.91 R50.2 ; v1(249.6,199.34) 246.21,199.34 245.52,198.65 U15.14 v1(239.96,198.65) ; RN1.1 21.26,111.15 25.55,115.43 32.56,115.43 R34.1 ; U30.28 234.96,158.36 229.97,163.35 v1(220.3,163.35) ; R57.1 55.83,66.52 63.29,66.52 68.12,71.35 J15.19 ; R70.2 16.26,178.22 ; 166.81,145.03 166.81,152.13 166.98,152.29 R2.2 ; 166.81,145.03 U1.20 ; U36.20 338.98,127.47 340.81,125.64 340.81,102.5 335.34,97.03 ; U16.1 193.31,192.85 192.23,193.92 U17.16 ; 16.26,178.22 10.48,172.44 10.48,171.05 19.89,161.65 27.1,161.65 28.83,159.92 U46.8 42.58,159.92 v1(44.8,157.69) ; 16.26,178.22 16.26,187.77 C55.2 ; C10.1 183.24,58.48 177.8,53.05 U7.14 ; v1(228.63,77.8) 228.63,76.32 C33.1 ; R3.1 C9.1
  Bottom w1.25: C23.1 330.63,131.76 ; 330.63,131.76 322.32,131.76 316.76,126.2 U38.20 ; 330.63,131.76 334.93,127.47 U36.20 ; 258.38,200.3 258.38,198.65 U14.14 ; 258.38,200.3 250.56,200.3 v1(249.6,199.34) ; 258.38,200.3 258.38,203.25 C14.1 ; 113.48,140.94 118.52,135.91 U39.40 ; 113.48,140.94 C63.1 115.43,158.89 v1(116.02,159.48) ; 113.48,140.94 113.44,140.9 112.48,140.9 111.03,139.45 105.66,139.45 94.84,128.63 ; C10.1 184.86,60.11 190.35,65.59 190.35,67.56 U2.33 ; v1(202.82,67.56) 202.82,97.69 C40.1 ; U41.20 323.58,176.25 326.43,179.1 v1(326.43,182.92) ; R16.2 R15.2 ; v1(44.8,157.69) 44.8,118.39 C51.1 ; 200.93,192.85 200.93,190.31 ; 200.93,192.85 U16.1 ; 200.93,192.85 201.94,192.85 ; 200.93,190.31 202.95,190.31 ; 200.93,190.31 200.93,182.69 U16.10 204.98,182.69 204.98,170.76 205.03,170.71 ; R57.1 51.33,61.21 C49.1 ; C33.1 228.13,73.23 228.13,64.25 U13.20 ; 59.58,49.23 59.58,46.69 U45.30 ; 59.58,49.23 U45.31 ; 59.58,49.23 59.58,51.77 U45.32 ; v1(199.74,210.41) 197.36,212.79 J12.1 ; 266.82,113.19 270.91,117.28 J5.1 ; 266.82,113.19 266.82,113.19 266.82,110.65 ; 266.82,113.19 U31.28 ; R34.1 35.64,112.84 36.67,111.82 ; R19.1 5.41,43.7 5.41,32.42 21.23,16.6 J3.2 ; v1(111.25,194.59) 111.25,186.1 107.81,182.66 ; R50.2 272.24,11.54 273.87,13.17 273.87,25.64 272.04,27.48 R46.2 ; 94.84,128.63 C18.1 ; 94.84,128.63 95.12,128.35 95.12,126.32 U47.14 ; R10.1 178.74,156.13 C27.1 176.76,172.49 157.06,172.49 C36.1 157.08,172.96 157.08,177.38 156.43,178.03 156.43,192.22 158.16,193.94 ; 309.63,31.39 304.54,31.39 303.6,32.34 303.6,36.42 309.97,42.79 C17.1 ; 309.63,31.39 309.63,26.22 U42.16 ; 309.63,31.39 309.63,32.41 C52.1 ; 158.16,193.94 158.16,200.72 ; 158.16,193.94 U10.14 ; 158.16,200.72 C47.1 ; 158.16,200.72 159.8,202.37 174.21,202.37 177.73,198.85 177.73,193.92 U17.16 ; v1(76.64,100.23) 76.53,100.34 R68.2 76.53,109.58 76.53,109.59 R67.2 ; 138.53,54.67 138.53,58.71 C12.2 ; 138.53,54.67 130.6,54.67 129.81,53.87 ; 138.53,54.67 138.53,53.05 U7.14 ; R48.2 204.35,207.99 201.54,205.18 C30.1 201.54,193.25 201.94,192.85 ; C19.1 216.37,167.69 220.3,163.77 v1(220.3,163.35) ; RN2.1 123.26,206.62 C64.2 ; 129.81,53.87 109.58,74.09 C16.1 ; 129.81,53.87 118.49,42.56 118.49,39.32 ; C58.1 304.5,90.64 306.17,92.31 310.71,92.31 v1(310.78,92.24) 310.78,84.94 312.07,83.65 U35.20 ; 279.34,196.11 279.34,198.65 U18.14 ; 279.34,196.11 279.79,195.65 279.79,166.65 277.38,164.24 v1(277.38,161.22) ; 279.34,196.11 U18.13 ; U32.28 266.82,158.92 266.82,157.62 ; 201.94,192.85 U16.14 ; U21.8 36.67,111.82 ; 36.67,111.82 37.68,111.82 41.51,107.99 41.51,106.67 U19.3 ; U24.14 288.57,136.37 286.73,134.52 v1(286.73,125.38) ; C60.1 271.54,108.92 269.81,110.65 266.82,110.65 ; C13.1 271.72,202.99 271.72,198.65 U18.1 ; U11.20 250.38,64.25 250.38,70.16 C43.1 ; 209.41,8.01 215.44,1.98 232.93,1.98 239.33,8.38 U28.9 243.38,8.38 245.21,6.55 250.46,6.55 252.13,8.22 U27.9 ; 209.41,8.01 217.23,15.83 217.23,17.64 216.87,17.99 C21.1 ; 209.41,8.01 208.37,6.97 v1(196.47,6.97) ; v1(91.66,214.08) 89.97,215.77 J11.17 ; C50.1 239.96,201.1 v1(239.96,198.65) ; C6.1 142,99.7 146.05,99.7 147,98.74 147,92.08 C1.1 C9.1 145.35,79.07 C11.1 ; U43.16 340.28,176.52 340.38,176.62 C35.1 ; U31.27 266.82,110.65 ; U49.1 50.54,199.17 50.15,198.78 ; 50.15,198.78 48.13,200.8 43.09,200.8 41.46,199.17 U48.1 ; 50.15,198.78 50.15,192.96 41.94,184.75 C15.1 ; 118.49,39.32 125.49,32.32 128.55,32.32 129.27,31.6 129.27,27.03 131.53,24.77 R12.2 R14.2 132.58,18.23 v1(132.58,17.11) ; 118.49,39.32 R13.2 ; v1(187.44,137.7) 190.35,134.79 190.35,133.6 U2.59 195.59,133.6 C48.1 203.21,124.05 U4.14 ; 266.82,157.62 266.82,156.38 U32.27 ; 266.82,157.62 J6.1 270.47,157.62 v1(278.53,149.56) ; U44.16 72.78,31.62 79.12,25.28 CR3.2 ; v1(348.03,209.19) 348.03,212.28 344.78,215.54 J13.1 ; R32.1 279.35,103.74 279.35,108.6 284.88,114.14 C45.1 ; R70.2 19.55,179.85 19.56,179.85 C34.1 27.89,188.17 27.89,205.6 30.73,208.44 U33.16 ; v1(315.54,184.53) 315.54,189.34 316.14,189.93 J14.19 ; v1(228.63,77.8) 231.92,81.09 v1(231.92,112.16) 230.25,113.83 230.25,153.64 234.96,158.36 U30.28 ; v1(116.3,174.17) 107.81,182.66 ; 107.81,182.66 C65.1 ; C37.1 247.19,120.81 239.02,112.64 U29.28 ; 205.03,170.71 205.03,157.69 R9.1 206.87,148.32 206.87,146.31 U3.14 ; 205.03,170.71 v1(205.71,170.71) ; C42.1 201.93,30.01 201.93,24.15 U6.14
+12V: length 477
  Top w1.25: v1(201.78,64.33) 171.07,64.33 169.23,62.49 ; 157.44,73.74 v1(157.44,76.79) ; 157.44,73.74 156.07,72.38 152.3,72.38 147.02,67.09 107.32,67.09 105.15,64.92 R22.2 86.12,64.92 79.72,58.51 v1(54.94,58.51) ; 157.44,73.74 157.97,73.74 169.23,62.49 ; U2.27 167.49,80.26 167.11,80.64 v1(157.44,80.64) ; v1(49.81,53.4) 40.77,53.4 39.58,52.2 39.58,51.18 38.76,50.37 38.76,31.45 L5.1 ; v1(204.77,73.4) 205.62,74.25 219.72,74.25 v1(225.46,79.99) ; 169.23,62.49 C7.1 ; v1(144.07,122.49) 146.72,122.49 v1(149.34,119.87) 153.61,119.87 v1(157.66,123.91) ; C29.1 228.51,118.6 260.29,118.6 272.92,131.23 v1(272.92,132.3)
  Bottom w1.25: v1(272.92,132.3) 274.35,132.3 280.56,138.52 C25.1 ; U1.13 158.61,127.25 158.61,124.87 v1(157.66,123.91) ; v1(157.44,76.79) v1(157.44,80.64) 157.44,86.07 C32.1 150.99,92.52 150.99,118.22 v1(149.34,119.87) ; v1(225.46,79.99) 226.88,81.41 C29.1 ; v1(144.07,122.49) 143.16,123.4 143.16,138.41 C4.1 ; v1(54.94,58.51) 54.93,58.51 v1(49.81,53.4) ; v1(204.77,73.4) 204.77,67.32 v1(201.78,64.33)
